# Altium PCB CADDX_passthrough_v1.PcbDoc
Units mil, origin at the board's own origin, x right, y up, seen from the top; angles counter-clockwise.
Board outline 1600 x 1700 mil, 2 copper layers (Top Layer, Bottom Layer), stack 61.811 mil thick; 99 components, 88 nets, 311 pads, 185 vias.
Unrouted connection lines stored in the file: 2.
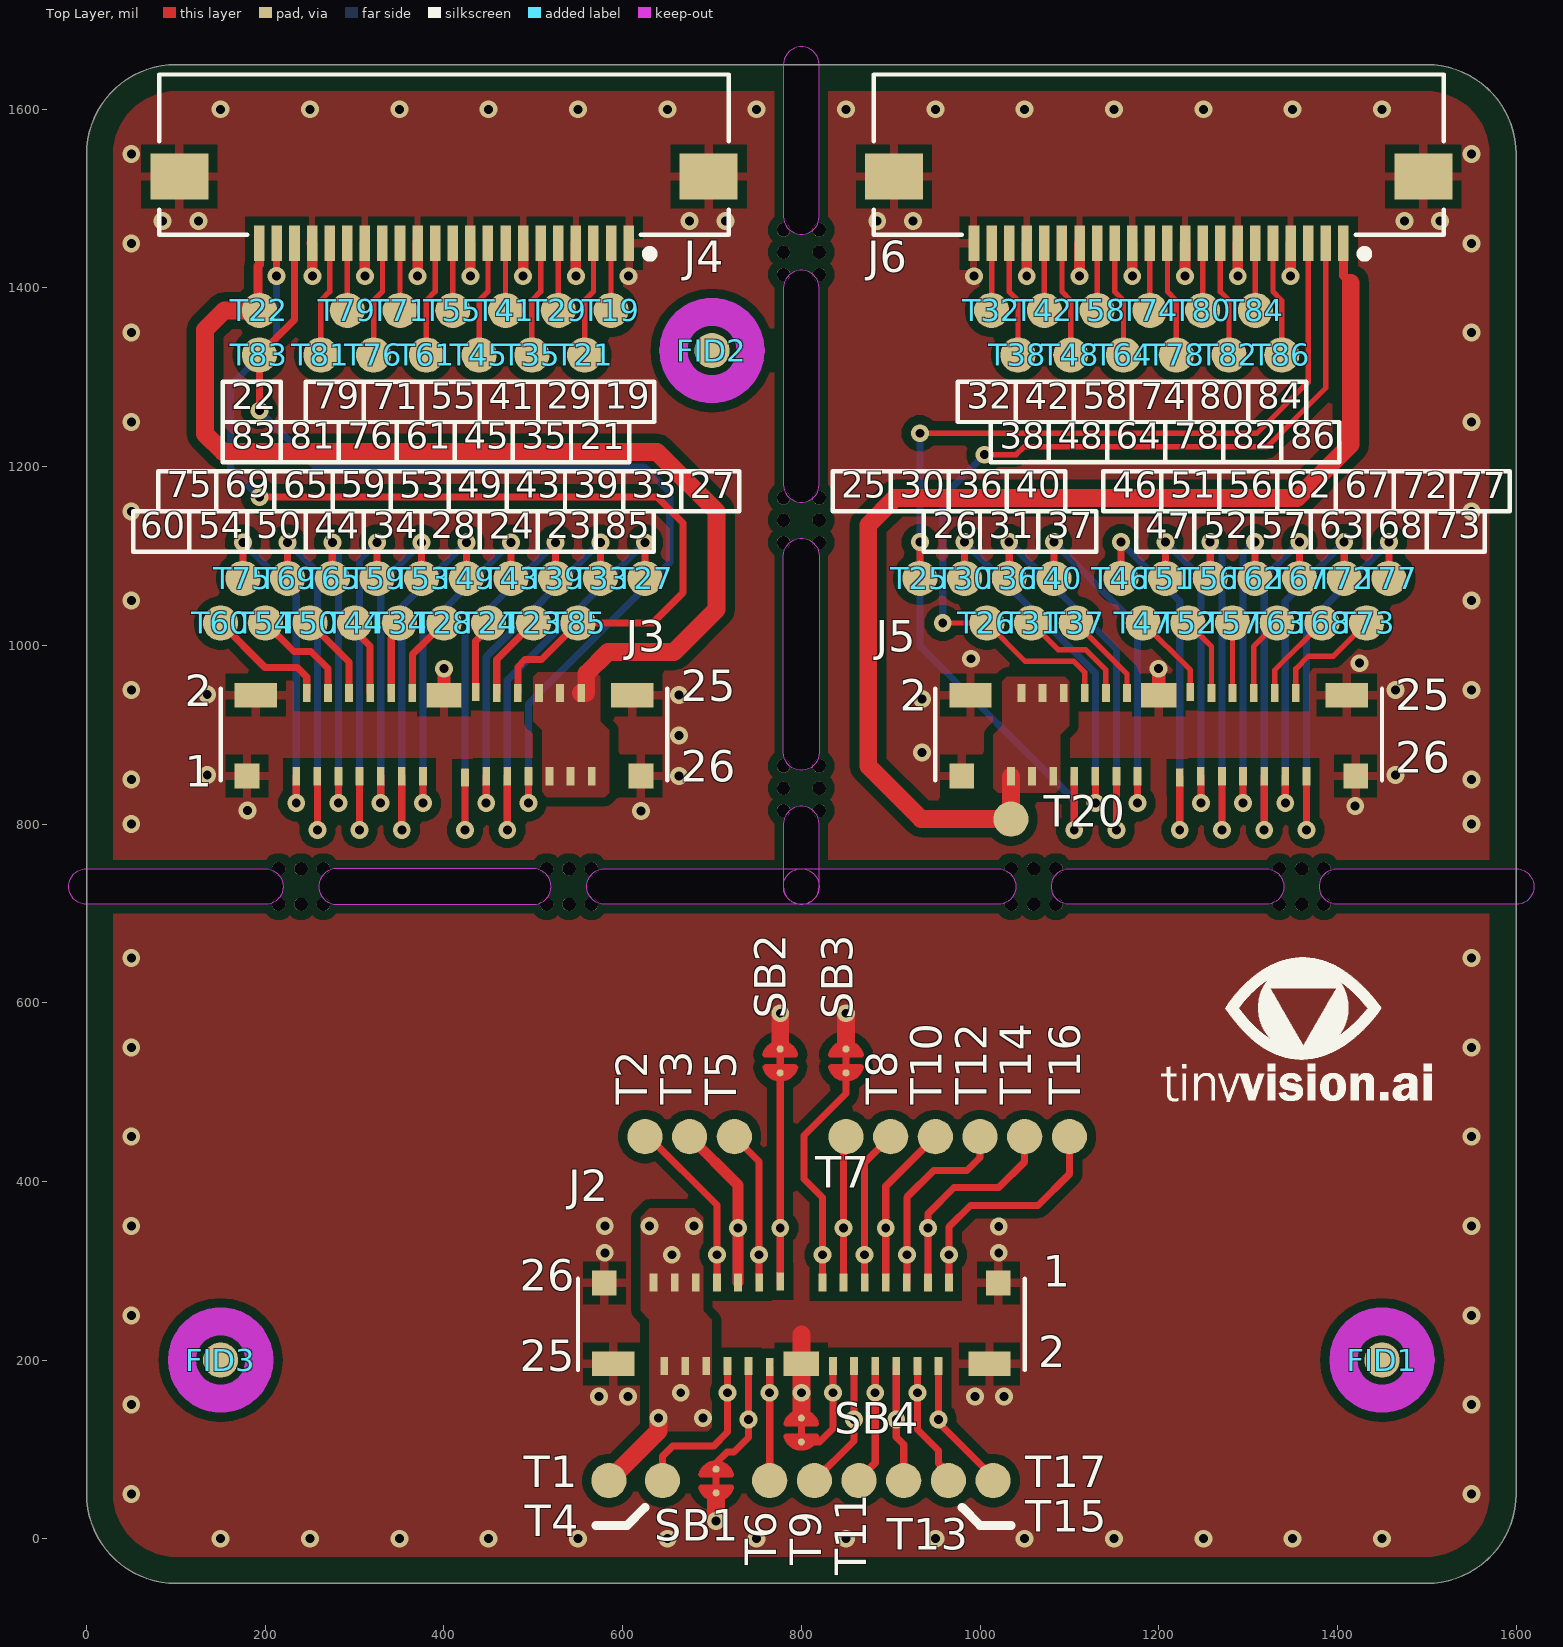
[diagram p0: Top Layer view]
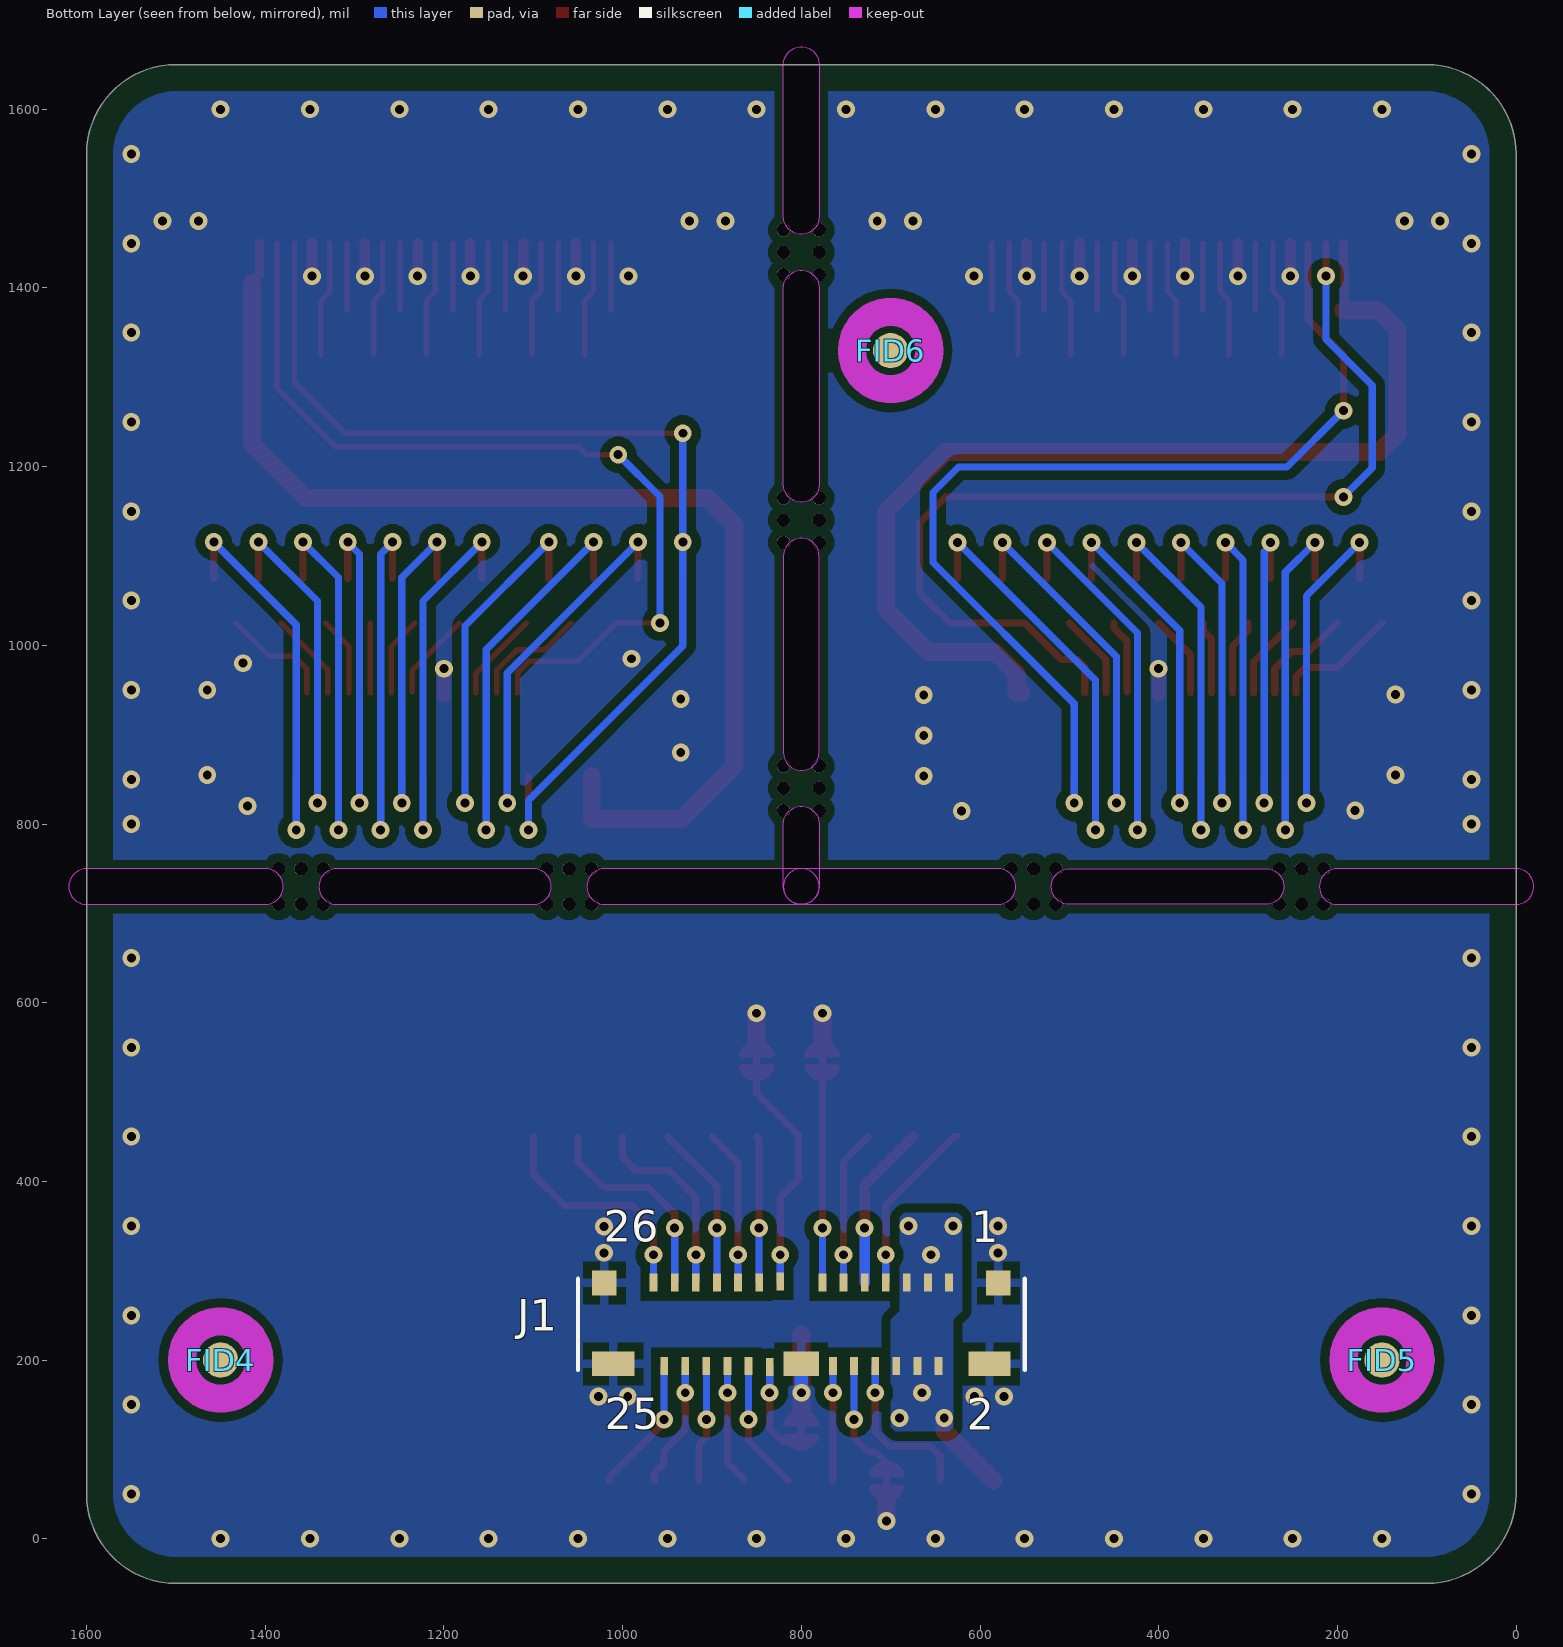
[diagram p1: Bottom Layer view, seen from below]
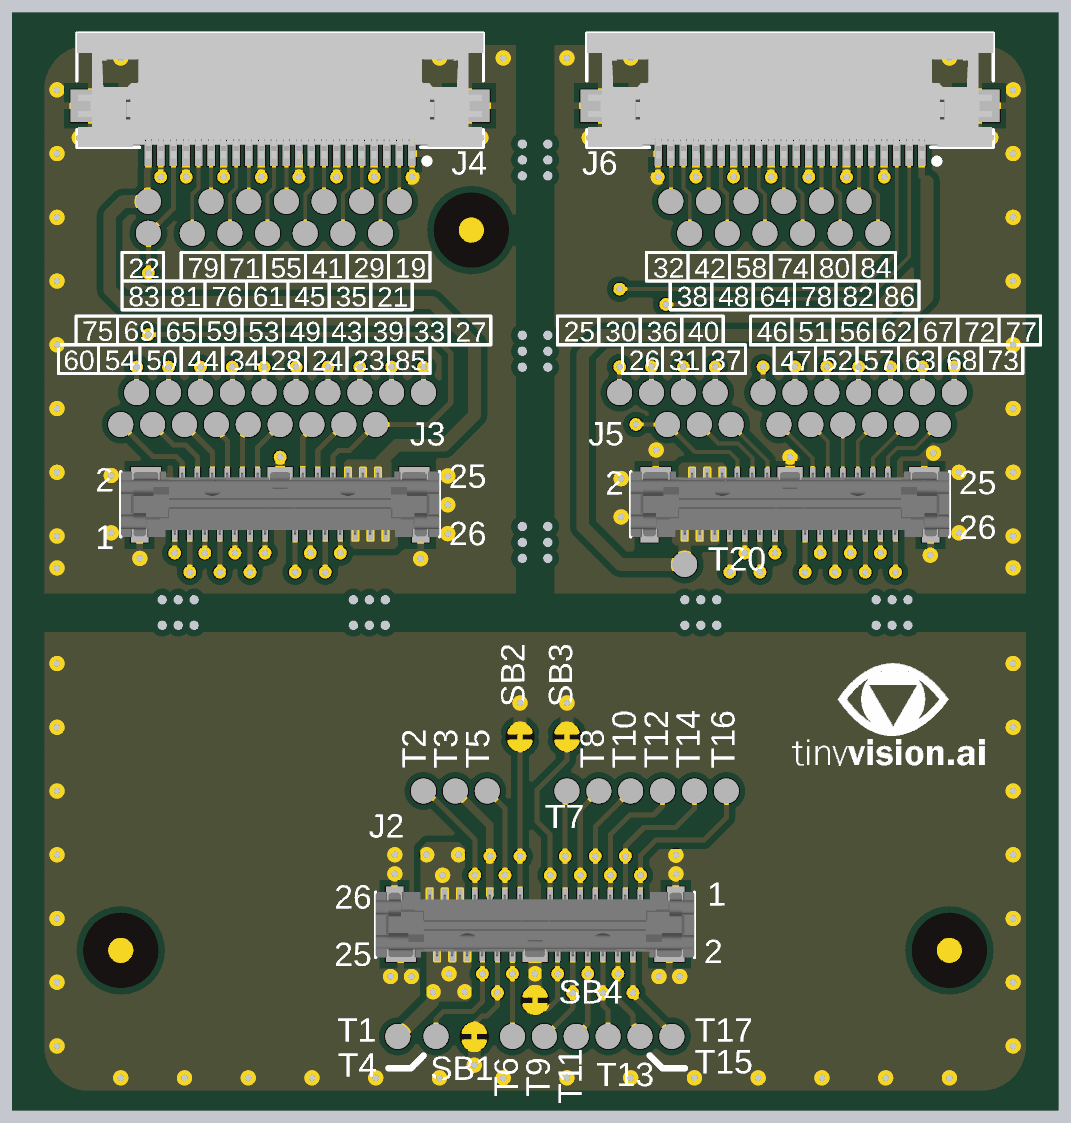
[diagram p2: 3D render of the assembled board from above, using the file's embedded part models]

## Layer stack, top to bottom
Top Solder: solder mask 0.5, Solder Resist, Dk 3.5
Top Layer: signal copper 1.378
Dielectric 1: core 59.0551, Core-009, Dk 4
Bottom Layer: signal copper 1.378
Bottom Solder: solder mask 0.5, Solder Resist, Dk 3.5

## Board outline
0,50 ccw(c100,50) 100,-50 1500,-50 ccw(c1500,50) 1600,50 1600,1550 ccw(c1500,1550) 1500,1650 100,1650 ccw(c100,1550) 0,1550
cut-out: 779.98,1480 ccw(c800,1480) 820.02,1480 820.02,1650 ccw(c800,1650) 779.98,1650
cut-out: 779.98,1180 ccw(c800,1180) 820.02,1180 820.02,1400 ccw(c800,1400) 779.98,1400
cut-out: 1400,709.99 cw(c1400,730) 1400,750.02 1600,750.02 cw(c1600,730) 1620.01,730 cw(c1600,730) 1600,709.99
cut-out: 0,709.99 cw(c0,730) 0,750.02 200,750.02 cw(c200,730) 220.02,730 cw(c200,730) 200,709.99
cut-out: 779.98,730 ccw(c800,730) 820.02,730 820.02,800 ccw(c800,800) 779.98,800
cut-out: 580,709.99 cw(c580,730) 580,750.02 800,750.02 cw(c800,730) 820.02,730 cw(c800,730) 800,709.99
cut-out: 800,709.99 cw(c800,730) 800,750.02 1020,750.02 cw(c1020,730) 1040.02,730 cw(c1020,730) 1020,709.99
cut-out: 1100,709.99 cw(c1100,730) 1100,750.02 1320,750.02 cw(c1320,730) 1340.01,730 cw(c1320,730) 1320,709.99
cut-out: 280,709.99 500,709.99 ccw(c500,730) 520.02,730 ccw(c500,730) 500,750.02 280,750.02 ccw(c280,730)
cut-out: 779.98,880 779.98,1100 cw(c800,1100) 820.02,1100 820.02,880 cw(c800,880)

## Design rules (kind name [scope] priority, off if disabled: settings)
Clearance [All] p1: gap=6 ignorepadtopadclearanceinfootprint=TRUE except(10: Arc-Fill Arc-Poly Arc-Region Track-Fill Track-Poly Track-Region SMDPad-Fill SMDPad-Poly SMDPad-Region THPad-Fill THPad-Poly THPad-Region Via-Fill Via-Poly Via-Region Fill-Fill Fill-Poly Fill-Region Poly-Poly Poly-Region Region-Region)
ComponentClearance [All] p1: gap=6 collisioncheckmode=3 verticalgap=10 showdistances=FALSE
DiffPairsRouting DiffPairsRouting_85_BGA [InDifferentialPairClass('DIFF_85OHM')  OR WithinRoom('Room_BGA')] p1: maxlimit=7 minlimit=7 mostfreqgap=7 toplayer_minwidth=5 toplayer_maxwidth=6.54 toplayer_prefwidth=6.54 bottomlayer_minwidth=5 bottomlayer_maxwidth=6.54 bottomlayer_prefwidth=6.54 maxuncoupledlength=500
DiffPairsRouting DiffPairsRouting_85_Ohms_1 [InDifferentialPairClass('DIFF_85OHM')] p2: maxlimit=7 minlimit=7 mostfreqgap=7 toplayer_minwidth=6.54 toplayer_maxwidth=6.54 toplayer_prefwidth=6.54 bottomlayer_minwidth=6.54 bottomlayer_maxwidth=6.54 bottomlayer_prefwidth=6.54 maxuncoupledlength=500
FanoutControl Fanout_SOIC [IsSOIC] p3: bgadir=Out bgaviamode=Centered fanoutstyle=Auto fanoutdirection=OutOnly viagrid=1 // Fanout_SOIC (Default Rule)
FanoutControl Fanout_Default [All] p5: bgadir=Out bgaviamode=Centered fanoutstyle=Auto fanoutdirection=OutOnly viagrid=1 // Fanout_Default (Default Rule)
HoleSize [All] p1: absolutevalues=TRUE maxlimit=120 minlimit=1 maxpercent=80.000 minpercent=20.000
HoleToHoleClearance [All] p1: gap=8 allowstackedmicrovias=TRUE
MinimumSolderMaskSliver [All] p1: minsoldermaskwidth=1.9
PolygonConnect PolygonConnect_3V3 [InNetClass('PWR')] p1: connectstyle=Direct reliefconductorwidth=10 reliefentries=4 polygonreliefangle="90 Angle" airgapwidth=10
PolygonConnect [All] p2: thpad.connectstyle=Relief thpad.reliefconductorwidth=10 thpad.reliefentries=4 thpad.polygonreliefangle="90 Angle" thpad.airgapwidth=10 smdpad.connectstyle=Relief smdpad.reliefconductorwidth=10 smdpad.reliefentries=4 smdpad.polygonreliefangle="90 Angle" smdpad.airgapwidth=10 via.connectstyle=Direct via.reliefconductorwidth=10 via.reliefentries=4 via.polygonreliefangle="90 Angle" via.airgapwidth=10
RoomDefinition CADDX_v1 [InComponentClass('CADDX_v1')] p1: confinementstyle=ConfineIn formatcopy=TRUE lockcomponents=FALSE outline 883.79,1006 1260.31,1006 1260.31,640 883.79,640
RoutingVias [All] p1: holewidth=10 width=20 viastyle="Through Hole" minholewidth=10 minwidth=20 maxholewidth=20 maxwidth=40
ShortCircuit [isnet] p1: allowed=FALSE
SilkToSilkClearance [All] p1: silktosilkclearance=1
SilkToSolderMaskClearance [IsPad] p1: minsilkscreentomaskgap=0.1 clearancetoexposedcopper=FALSE
SolderMaskExpansion SolderMaskExpansion_via [isvia] p1: expansion=-6 istentingtop=FALSE soldermaskfromhole=TRUE
SolderMaskExpansion SolderMaskExpansion_all [All] p2: expansion=2 istentingtop=FALSE
Width [All] p1: maxlimit=40 minlimit=6 preferedwidth=6
20 further rules are at their usual default settings.

## Classes and differential pairs
net class PWR: P3V3D P3V3D_1 P3V3D_2
differential pair class DIFF_85OHM: RVP_IR_CLK RVP_IR_D0 RVP_IR_D1 RVP_UF_CLK RVP_UF_D0 RVP_UF_D1 RVP_WF_CLK RVP_WF_D0 RVP_WF_D1 RVP_WF_D2 RVP_WF_D3
differential pair MIPI_TXD1: +MIPI_TXD1_P -MIPI_TXD1_N
differential pair MIPI_TXD0: +MIPI_TXD0_P -MIPI_TXD0_N
differential pair MIPI_TXCLK: +MIPI_TXCLK_P -MIPI_TXCLK_N
differential pair MIPI_RXD1: +MIPI_RXD1_P -MIPI_RXD1_N
differential pair MIPI_RXD0: +MIPI_RXD0_P -MIPI_RXD0_N
differential pair MIPI_RXCLK: +MIPI_RXCLK_P -MIPI_RXCLK_N

## Components (designator, comment, footprint, x,y, rotation, side; value= is the part's Value field where it differs from the comment)
FID1 "FID" FID_040 1450,200 r0 top
FID2 "FID" FID_040 700,1330 r90 top
FID3 "FID" FID_040 150,200 r90 top
FID4 "FID" FID_040 1450,200 r90 bottom
FID5 "FID" FID_040 150,200 r90 bottom
FID6 "FID" FID_040 700,1330 r90 bottom
J1 "DF56C-26S-0.3V(51)" HRS_DF56C-26S-0.3V(51) 800,240 r0 bottom
J2 "DF56C-26S-0.3V(51)" HRS_DF56C-26S-0.3V(51) 800,240 r180 top
J3 "DF56C-26S-0.3V(51)" HRS_DF56C-26S-0.3V(51) 400,900 r0 top
J4 "0545482271" MOLEX_54548-2271 400,1450 r180 top
J5 "DF56C-26S-0.3V(51)" HRS_DF56C-26S-0.3V(51) 1200,900 r0 top
J6 "0545482271" MOLEX_54548-2271 1200,1450 r180 top
SB1 "Solderbridge" Solderbridge_Shorted 704.57,64.48 r90 top net-tie
SB2 "Solderbridge" Solderbridge_Shorted 776.38,534.83 r90 top net-tie
SB3 "Solderbridge" Solderbridge_Shorted 850,534.83 r90 top net-tie
SB4 "Solderbridge" Solderbridge_Shorted 800,121.65 r270 top net-tie
T1 "" "TP 1mm" 584.57,65 r0 top
T2 "" "TP 1mm" 625,450 r90 top
T3 "" "TP 1mm" 675,450 r90 top
T4 "" "TP 1mm" 644.57,65 r0 top
T5 "" "TP 1mm" 725,450 r90 top
T6 "" "TP 1mm" 764.57,65 r0 top
T7 "" "TP 1mm" 850,450 r90 top
T8 "" "TP 1mm" 900,450 r90 top
T9 "" "TP 1mm" 814.57,65 r0 top
T10 "" "TP 1mm" 950,450 r180 top
T11 "" "TP 1mm" 864.57,65 r90 top
T12 "" "TP 1mm" 1000,450 r180 top
T13 "" "TP 1mm" 914.57,65 r90 top
T14 "" "TP 1mm" 1050,450 r180 top
T15 "" "TP 1mm" 964.57,65 r90 top
T16 "" "TP 1mm" 1100,450 r180 top
T17 "" "TP 1mm" 1014.57,65 r90 top
T19 "" "TP 1mm" 587.01,1375 r90 top
T20 "" "TP 1mm" 1034.65,805.53 r90 top
T21 "" "TP 1mm" 557.48,1325 r90 top
T22 "" "TP 1mm" 193.31,1375 r90 top
T23 "" "TP 1mm" 500,1025 r90 top
T24 "" "TP 1mm" 450,1025 r90 top
T25 "" "TP 1mm" 932.68,1075 r90 top
T26 "" "TP 1mm" 1007.68,1025 r90 top
T27 "" "TP 1mm" 625,1075 r270 top
T28 "" "TP 1mm" 400,1025 r270 top
T29 "" "TP 1mm" 527.95,1375 r90 top
T30 "" "TP 1mm" 982.68,1075 r90 top
T31 "" "TP 1mm" 1057.68,1025 r90 top
T32 "" "TP 1mm" 1012.99,1375 r90 top
T33 "" "TP 1mm" 575,1075 r270 top
T34 "" "TP 1mm" 350,1025 r270 top
T35 "" "TP 1mm" 498.43,1325 r90 top
T36 "" "TP 1mm" 1032.68,1075 r90 top
T37 "" "TP 1mm" 1107.68,1025 r90 top
T38 "" "TP 1mm" 1042.52,1325 r90 top
T39 "" "TP 1mm" 525,1075 r270 top
T40 "" "TP 1mm" 1082.68,1075 r90 top
T41 "" "TP 1mm" 468.9,1375 r90 top
T42 "" "TP 1mm" 1072.05,1375 r90 top
T43 "" "TP 1mm" 475,1075 r270 top
T44 "" "TP 1mm" 300,1025 r270 top
T45 "" "TP 1mm" 439.37,1325 r90 top
T46 "" "TP 1mm" 1157.68,1075 r90 top
T47 "" "TP 1mm" 1182.68,1025 r90 top
T48 "" "TP 1mm" 1101.57,1325 r90 top
T49 "" "TP 1mm" 425,1075 r270 top
T50 "" "TP 1mm" 250,1025 r270 top
T51 "" "TP 1mm" 1207.68,1075 r90 top
T52 "" "TP 1mm" 1232.68,1025 r90 top
T53 "" "TP 1mm" 375,1075 r270 top
T54 "" "TP 1mm" 200,1025 r270 top
T55 "" "TP 1mm" 409.84,1375 r90 top
T56 "" "TP 1mm" 1257.68,1075 r90 top
T57 "" "TP 1mm" 1282.68,1025 r90 top
T58 "" "TP 1mm" 1131.1,1375 r90 top
T59 "" "TP 1mm" 325,1075 r270 top
T60 "" "TP 1mm" 150,1025 r270 top
T61 "" "TP 1mm" 380.31,1325 r90 top
T62 "" "TP 1mm" 1307.68,1075 r90 top
T63 "" "TP 1mm" 1332.68,1025 r90 top
T64 "" "TP 1mm" 1160.63,1325 r90 top
T65 "" "TP 1mm" 275,1075 r270 top
T67 "" "TP 1mm" 1357.68,1075 r90 top
T68 "" "TP 1mm" 1382.68,1025 r90 top
T69 "" "TP 1mm" 225,1075 r270 top
T71 "" "TP 1mm" 350.79,1375 r90 top
T72 "" "TP 1mm" 1407.68,1075 r90 top
T73 "" "TP 1mm" 1432.68,1025 r90 top
T74 "" "TP 1mm" 1190.16,1375 r90 top
T75 "" "TP 1mm" 175,1075 r270 top
T76 "" "TP 1mm" 321.26,1325 r90 top
T77 "" "TP 1mm" 1457.68,1075 r90 top
T78 "" "TP 1mm" 1219.68,1325 r90 top
T79 "" "TP 1mm" 291.73,1375 r90 top
T80 "" "TP 1mm" 1249.21,1375 r90 top
T81 "" "TP 1mm" 262.2,1325 r90 top
T82 "" "TP 1mm" 1278.74,1325 r90 top
T83 "" "TP 1mm" 193.31,1325 r270 top
T84 "" "TP 1mm" 1308.27,1375 r90 top
T85 "" "TP 1mm" 550,1025 r270 top
T86 "" "TP 1mm" 1337.8,1325 r90 top

## Footprints (in the part's own frame and the unit in brackets; to place one, negate y for a bottom-side part, rotate by r counter-clockwise, add the part's x,y. Pads: shape width x height; smd on the part's side, far side on the other; paste and mask are expansions set on the pad)
FID_040 [mm]
  round 1 smd paste-1.5 mask+1: 1(0,0)
  Top Layer keep-out circle w0.8: c0,0 r1.1
HRS_DF56C-26S-0.3V(51) [mm]
  rect 0.22x0.52 smd mask+0.051: 1(-4.2,-1.185) 2(-3.9,1.185) 3(-3.6,-1.185) 4(-3.3,1.185) 5(-3,-1.185) 6(-2.7,1.185) 7(-2.4,-1.185) 8(-2.1,1.185) 9(-1.8,-1.185) 10(-1.5,1.185) 11(-1.2,-1.185) 12(-0.9,1.185) 13(-0.6,-1.185) 14(0.6,-1.215) 15(0.9,1.215) 16(1.2,-1.185) 17(1.5,1.185) 18(1.8,-1.185) 19(2.1,1.185) 20(2.4,-1.185) 21(2.7,1.185) 22(3,-1.185) 23(3.3,1.185) 24(3.6,-1.185) 25(3.9,1.185) 26(4.2,-1.185)
  rect 1.2x0.7 smd mask+0.051: P1(-5.35,1.125) P3(5.35,1.125)
  rect 1x0.7 smd mask+0.051: P2(0,1.125)
  rect 0.7x0.7 smd mask+0.051: P4(-5.6,-1.175) P5(5.6,-1.175)
  silkscreen extent -6.35,-1.3 6.35,1.3, body extent -6.35,-1.3 6.35,1.3, height 1.49
MOLEX_54548-2271 [mm]
  rect 0.3x1 smd mask+0.05: 1(-5.25,0) 2(-4.75,0) 3(-4.25,0) 4(-3.75,0) 5(-3.25,0) 6(-2.75,0) 7(-2.25,0) 8(-1.75,0) 9(-1.25,0) 10(-0.75,0) 11(-0.25,0) 12(0.25,0) 13(0.75,0) 14(1.25,0) 15(1.75,0) 16(2.25,0) 17(2.75,0) 18(3.25,0) 19(3.75,0) 20(4.25,0) 21(4.75,0) 22(5.25,0)
  rect 1.65x1.3 smd: SH1(-7.525,-1.9) SH2(7.525,-1.9)
  silkscreen extent -8.1,-4.8 8.1,0.37, body extent -8.1,-4.8 8.1,0.2, height 1.18
Solderbridge_Shorted [mm]
  round 0.2 smd paste-10: 1(-0.338,0) 2(0.338,0)
  Top Layer region: -0.102,-0.432 -0.178,-0.505 -0.296,-0.467 -0.361,-0.424 -0.434,-0.351 -0.488,-0.292 -0.546,-0.193 -0.574,-0.099 -0.569,0.122 -0.544,0.193 -0.46,0.33 -0.376,0.411 -0.284,0.469 -0.183,0.5 -0.132,0.483 -0.102,0.43
  Top Layer region: 0.102,0.432 0.178,0.505 0.296,0.467 0.361,0.424 0.434,0.351 0.488,0.292 0.546,0.193 0.574,0.099 0.569,-0.122 0.544,-0.193 0.46,-0.33 0.376,-0.411 0.284,-0.469 0.183,-0.5 0.132,-0.483 0.102,-0.43
  Top Layer lines w0.152: -0.178,0.431 ccw(c-0.068,0) -0.178,-0.431 ; 0.178,0.431 cw(c0.068,0) 0.178,-0.431
  Top Layer lines w0.203: -0.338,0 0.338,0
"TP 1mm" [mm] "1 mm Probe Pad"
  round 1 smd: 1(0,0)
